# Altium PCB Main_PCB.PcbDoc (part 13 of 13)
Units mil, origin at the board's own origin, x right, y up, seen from the top; angles counter-clockwise.
Board outline 5200 x 6000 mil, 12 copper layers (Top (L1), Int1 (l2), Int2 (L3), Int3 (L4), Int4 (L5), Int5 (L6), Int6 (L7), Int7 (L8), Int8 (L9), Int9 (L10), Int10 (L11), Bot (L12)), stack 94.81 mil thick; 88 components, 424 nets, 1789 pads, 1684 vias.
Unrouted connection lines stored in the file: 914.
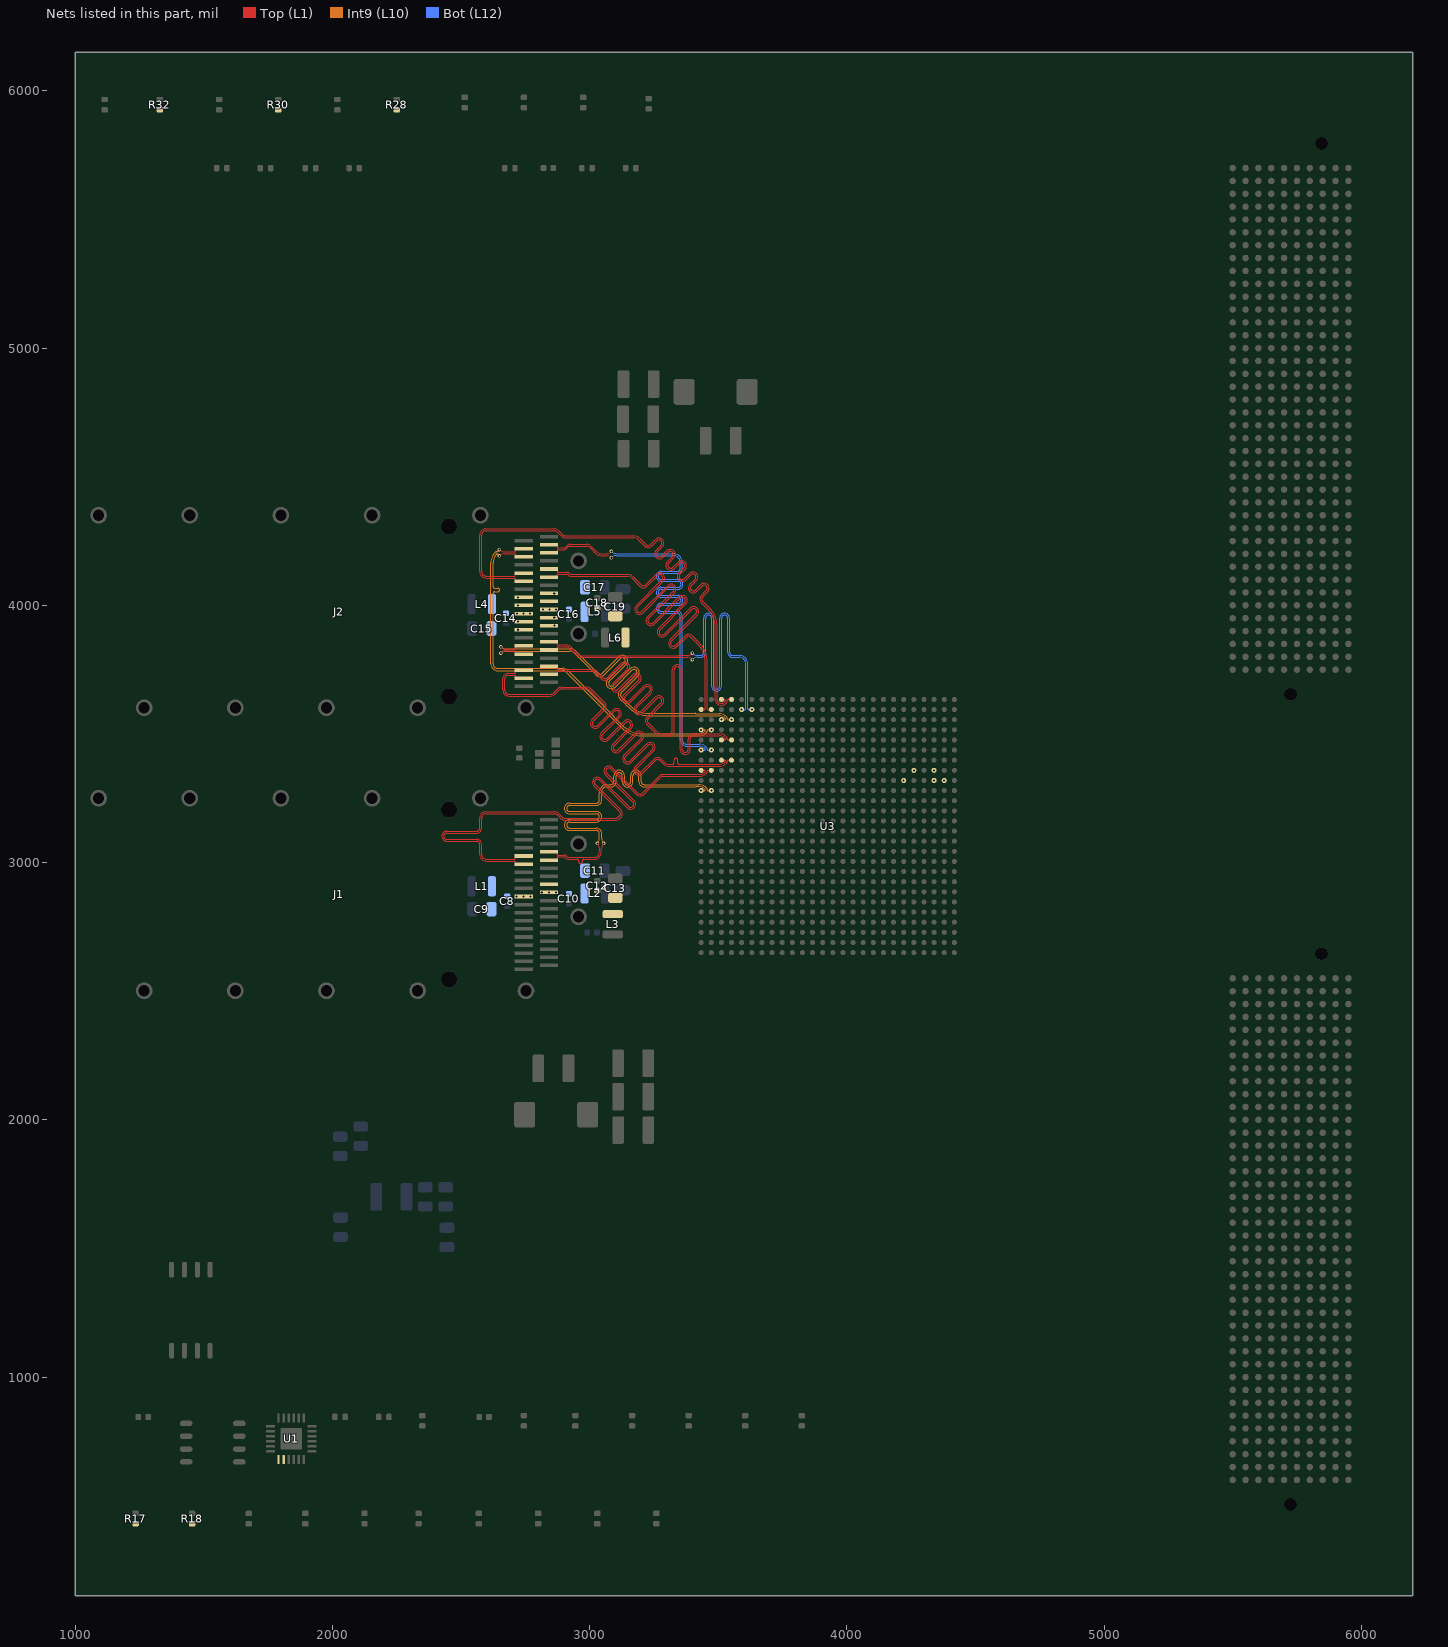
[diagram p23: the nets of this part, all layers, seen from the top]

## Via types
v1: diameter 13.78, hole 7.87, Top (L1) to Bot (L12), tented both sides, 1680 vias
v2: diameter 19.68, hole 7.87, Top (L1) to Bot (L12), tented both sides, 4 vias

## Nets (pads, with @x,y where several pads share a name; then routed paths per layer and width w, separated by ;. In a path a pad name is that pad's centre, name@x,y a point inside that pad or via, vN(x,y) a via of type N, cw(c..) or ccw(c..) an arc to the next point about the centre after c; other vN are vias at no path point) (continued)
QSFP_A_TX3_N: J1.34 U3.K2 | length 1575.8
  Top (L1) w3.5: J1.34@2842.13,3041.34 2865.15,3041.34 cw(c2865.15,3032.56) 2871.36,3038.77 2872.23,3037.89 cw(c2868.15,3033.81) 2873.93,3033.81 2873.93,3032.87 ccw(c2877.43,3032.87) 2874.95,3030.39 ccw(c2877.43,3032.87) 2877.43,3029.37 2900.62,3029.37 cw(c2900.62,3015.62) 2910.34,3025.34 2912.62,3023.06 ccw(c2920,3030.44) 2920,3020 3017.93,3020 ccw(c3017.93,3037.07) 3030,3025 ccw(c3008.94,3046.06) 3038.73,3046.06 ; v1(3030,3075) cw(c3008.94,3053.94) 3038.73,3053.94 ; 3038.72,3046.06 3038.72,3053.94
  Int9 (L10) w3.5: v1(3030,3075) ccw(c3010.44,3094.56) 3038.1,3094.56 3038.1,3107.38 3038.1,3113.53 ccw(c3026.35,3113.53) 3026.35,3125.28 2922.35,3125.28 cw(c2922.35,3145.83) 2922.35,3166.38 3026.75,3166.38 ccw(c3026.75,3178.13) 3026.75,3189.88 2922.35,3189.88 cw(c2922.35,3210.43) 2922.35,3230.98 3026.35,3230.98 ccw(c3026.35,3242.73) 3038.1,3242.73 3038.1,3267.85 3038.1,3270.44 cw(c3074.56,3270.44) 3048.78,3296.22 cw(c3066.35,3278.65) 3066.35,3303.5 3077,3303.5 3083.15,3303.5 ccw(c3083.15,3315.25) 3094.9,3315.25 3094.9,3338.38 cw(c3115.45,3338.38) 3136,3338.38 3136,3314.24 ccw(c3147.75,3314.24) 3159.5,3314.24 3159.5,3338.38 cw(c3180.05,3338.38) 3200.6,3338.38 3200.6,3315.25 ccw(c3212.35,3315.25) 3212.35,3303.5 3246,3303.5 3424.41,3303.5 cw(c3424.41,3261.6) 3454.04,3291.23 3454.11,3291.16 cw(c3446.42,3283.47) 3457.29,3283.47 3457.29,3283.42 ccw(c3460.79,3283.42) 3458.32,3280.95 ccw(c3460.79,3283.42) 3460.79,3279.92 v1(3473.23,3279.92)
QSFP_A_TX3_P: J1.33 U3.K1 | length 1583.5
  Top (L1) w3.5: J1.33@2842.13,3009.84 2865.15,3009.84 ccw(c2865.15,3018.62) 2871.36,3012.41 2872.23,3013.29 ccw(c2868.15,3017.37) 2873.93,3017.37 2873.93,3018.32 cw(c2877.43,3018.32) 2874.95,3020.79 cw(c2877.43,3018.32) 2877.43,3021.82 2900.62,3021.82 cw(c2900.62,3015.62) 2905,3020 2907.28,3017.72 ccw(c2920,3030.44) 2920,3012.45 2936,3012.45 2951.25,3012.45 cw(c2951.25,3005.7) 2958,3005.7 2958,3002.86 ccw(c2964.75,3002.86) 2971.5,3002.86 2971.5,3005.7 cw(c2978.25,3005.7) 2978.25,3012.45 2987.6,3012.45 3017.93,3012.45 ccw(c3017.93,3037.07) 3035.34,3019.66 ccw(c3008.94,3046.06) 3046.28,3046.06 3046.28,3053.94 ; 3046.27,3053.94 cw(c3076.06,3053.94) v1(3055,3075)
  Int9 (L10) w3.5: v1(3055,3075) cw(c3074.56,3094.56) 3046.9,3094.56 3046.9,3107.38 3046.9,3113.53 ccw(c3026.35,3113.53) 3026.35,3134.08 2922.35,3134.08 cw(c2922.35,3145.83) 2922.35,3157.58 3026.75,3157.58 ccw(c3026.75,3178.13) 3026.75,3198.68 2922.35,3198.68 cw(c2922.35,3210.43) 2922.35,3222.18 3026.35,3222.18 ccw(c3026.35,3242.73) 3046.9,3242.73 3046.9,3267.85 3046.9,3270.44 cw(c3074.56,3270.44) 3055,3290 cw(c3066.35,3278.65) 3066.35,3294.7 3077,3294.7 3083.15,3294.7 ccw(c3083.15,3315.25) 3103.7,3315.25 3103.7,3338.38 cw(c3115.45,3338.38) 3127.2,3338.38 3127.2,3314.24 ccw(c3147.75,3314.24) 3168.3,3314.24 3168.3,3338.38 cw(c3180.05,3338.38) 3191.8,3338.38 3191.8,3315.25 ccw(c3212.35,3315.25) 3212.35,3294.7 3246,3294.7 3412.86,3294.7 ccw(c3412.86,3299.14) 3416,3296 3424.38,3296 cw(c3424.38,3261.5) 3448.77,3285.9 cw(c3446.29,3283.42) 3449.79,3283.42 cw(c3446.29,3283.42) 3448.77,3280.95 cw(c3446.29,3283.42) 3446.29,3279.92 v1(3433.86,3279.92)
QSFP_A_TX4_N: J1.5 U3.H2 | length 2238.3
  Top (L1) w3.5: J1.5@2743.7,3025.59 2720.68,3025.59 ccw(c2720.68,3016.82) 2714.47,3023.02 2713.59,3022.14 ccw(c2717.67,3018.06) 2711.9,3018.06 2711.9,3017.12 cw(c2708.4,3017.12) 2710.88,3014.64 cw(c2708.4,3017.12) 2708.4,3013.62 2600,3013.62 cw(c2600,3034.42) 2585.29,3019.71 2585,3020 cw(c2597.07,3032.07) 2580,3032.07 2580,3065.96 2580,3071.48 ccw(c2560.7,3071.48) 2560.7,3090.78 2444.7,3090.78 cw(c2444.7,3102.53) 2444.7,3114.28 2560.7,3114.28 ccw(c2560.7,3133.58) 2580,3133.58 2580,3157 2580,3172.93 cw(c2597.07,3172.93) 2585,3185 cw(c2597.07,3172.93) 2597.07,3190 2862.93,3190 cw(c2862.93,3172.93) 2875,3185 2888.75,3171.25 ccw(c2904.66,3187.17) 2904.66,3164.66 3100,3164.66 ccw(c3100,3189.62) 3117.64,3171.96 3118.34,3172.66 3122.25,3176.57 ccw(c3108.6,3190.22) 3122.25,3203.86 3022.31,3303.8 cw(c3030.64,3312.08) 3022.33,3320.39 cw(c3030.64,3312.08) 3038.97,3320.38 ; 3038.98,3320.37 3146.26,3213.08 ; 3146.27,3213.07 ccw(c3159.93,3226.7) 3173.58,3213.06 ccw(c3159.93,3226.71) 3174.68,3239.15 3174.68,3239.25 3066.22,3347.71 cw(c3074.55,3355.99) 3066.25,3364.3 cw(c3074.55,3355.99) 3082.88,3364.29 3182.75,3264.42 ccw(c3196.42,3278.04) 3210.07,3264.39 3230.58,3284.91 3277.62,3331.94 cw(c3285,3324.56) 3285,3335 3415,3335 3428.6,3335.03 ccw(c3428.6,3367.79) 3451.77,3344.62 3453.76,3346.61 ccw(c3445.24,3355.14) 3457.29,3355.14 cw(c3460.79,3355.16) 3458.32,3357.64 cw(c3460.79,3355.16) 3460.79,3358.66 U3.H2@3473.23,3358.66
QSFP_A_TX4_P: J1.6 U3.H1 | length 2249.9
  Top (L1) w3.5: J1.6@2743.7,2994.09 2720.68,2994.09 cw(c2720.68,3002.87) 2714.47,2996.66 2713.59,2997.54 cw(c2717.67,3001.63) 2711.9,3001.63 2711.9,3002.57 ccw(c2708.4,3002.57) 2710.88,3005.04 ccw(c2708.4,3002.57) 2708.4,3006.07 2600,3006.07 cw(c2600,3034.42) 2579.95,3014.37 2579.66,3014.66 cw(c2597.07,3032.07) 2572.45,3032.07 2572.45,3065.96 2572.45,3071.48 ccw(c2560.7,3071.48) 2560.7,3083.23 2444.7,3083.23 cw(c2444.7,3102.53) 2444.7,3121.83 2560.7,3121.83 ccw(c2560.7,3133.58) 2572.45,3133.58 2572.45,3157 2572.45,3172.93 cw(c2597.07,3172.93) 2579.66,3190.34 cw(c2597.07,3172.93) 2597.07,3197.55 2862.93,3197.55 cw(c2862.93,3172.93) 2880.34,3190.34 2894.09,3176.59 ccw(c2904.66,3187.17) 2904.66,3172.21 3100,3172.21 ccw(c3100,3189.62) 3112.31,3177.31 3113,3178 3116.91,3181.91 ccw(c3108.6,3190.22) 3116.91,3198.52 3017.02,3298.41 cw(c3030.64,3312.08) 3017,3325.73 cw(c3030.64,3312.08) 3043.09,3326.84 3043.18,3326.84 3151.65,3218.37 ccw(c3159.93,3226.7) 3168.24,3218.4 ccw(c3159.93,3226.71) 3168.22,3235.03 3060.93,3342.32 ; 3060.92,3342.33 cw(c3074.55,3355.99) 3060.91,3369.64 cw(c3074.55,3355.99) 3087,3370.75 3087.09,3370.75 3188.11,3269.73 ccw(c3196.42,3278.04) 3204.73,3269.73 3225.25,3290.25 3272.28,3337.28 cw(c3285,3324.56) 3285,3342.55 3411.89,3342.55 ; 3411.92,3342.53 3425.8,3342.53 ccw(c3425.8,3374.54) 3448.44,3351.9 ccw(c3445.19,3355.16) 3449.79,3355.16 ccw(c3446.29,3355.16) 3448.77,3357.64 ccw(c3446.29,3355.16) 3446.29,3358.66 U3.H1@3433.86,3358.66
QSFP_A_VCCA1: C12.2 C13.2 J1.30 L3.2
QSFP_A_VCCRX: C8.2 C9.2 J1.10 L1.2
  other v1: 2716.11,2868.11 2743.59,2868 2770.89,2868.11
QSFP_A_VCCTX: C10.2 C11.2 J1.29 L2.2
  other v1: 2814.07,2883.86 2841.98,2884 2869.93,2883.86
QSFP_B_IntL/R\x\L\o\s\: J2.28 R32.1 U3.J21
  other v1: 4221.26,3319.29 2862.64,3952.36
QSFP_B_LPMode/TxDis: J2.31 U3.J25
  other v1: 4378.74,3319.29 2862.64,4046.85
QSFP_B_M\o\d\P\r\s\: J2.27 R30.1 U3.H24
  other v1: 4339.37,3358.66 2864.13,3920.87
QSFP_B_M\o\d\S\e\l\: J2.8 U3.J24
  other v1: 4339.37,3319.29 2721.61,4031.1
QSFP_B_R\e\s\e\t\: J2.9 R28.1 U3.H22
  other v1: 4260.63,3358.66 2721.61,3999.61
QSFP_B_RX1_N: J2.18 U3.G3 | length 2248.5
  Top (L1) w3.5: J2.18@2743.7,3716.14 2720.68,3716.14 cw(c2720.68,3724.92) 2714.47,3718.71 2713.59,3719.59 cw(c2717.67,3723.67) 2711.9,3723.67 2711.9,3724.61 ccw(c2708.4,3724.61) 2710.88,3727.09 ccw(c2708.4,3724.61) 2708.4,3728.11 2682.52,3728.11 ccw(c2682.52,3717.48) 2675,3725 2673.54,3723.54 ccw(c2682.07,3715) 2670,3715 2670,3672.07 ccw(c2687.07,3672.07) 2675,3660 2676.46,3658.54 ccw(c2685,3667.07) 2685,3655 2847.93,3655 ccw(c2847.93,3672.07) 2860,3660 2877.28,3677.28 cw(c2890,3664.56) 2890,3682.55 2987.93,3682.55 cw(c2987.93,3657.93) 3005.34,3675.34 3035.75,3644.93 3038.55,3642.13 3058.88,3621.8 cw(c3045.23,3608.15) 3058.88,3594.51 3013.82,3549.45 ccw(c3022.13,3541.14) 3013.82,3532.83 ccw(c3022.13,3541.14) 3030.41,3532.81 3090.49,3592.89 cw(c3104.14,3579.24) 3117.78,3592.89 cw(c3104.14,3579.24) 3117.78,3565.59 ; 3117.76,3565.57 3051.26,3499.07 ccw(c3059.57,3490.76) 3051.26,3482.45 ccw(c3059.57,3490.76) 3067.85,3482.43 3134.4,3548.97 cw(c3148.05,3535.33) 3161.69,3548.97 cw(c3148.05,3535.33) 3161.69,3521.68 ; 3161.67,3521.66 3095.17,3455.16 ccw(c3103.48,3446.85) 3095.17,3438.54 ccw(c3103.48,3446.85) 3111.76,3438.51 3178.31,3505.06 cw(c3191.96,3491.42) 3204.4,3506.17 3204.5,3506.17 3206.71,3503.96 3206.71,3503.86 cw(c3191.96,3491.42) 3205.6,3477.77 3139.08,3411.24 ccw(c3147.39,3402.94) 3139.08,3394.63 ccw(c3147.39,3402.94) 3155.67,3394.6 3222.22,3461.15 cw(c3235.87,3447.51) 3249.52,3461.15 cw(c3235.87,3447.51) 3249.52,3433.86 3182.99,3367.33 ccw(c3191.3,3359.02) 3182.99,3350.72 ccw(c3191.3,3359.02) 3199.58,3350.69 3251.14,3402.25 cw(c3264.78,3388.6) 3278.43,3402.25 3279.54,3401.14 3282.34,3398.34 3291.16,3389.52 ccw(c3309.41,3407.77) 3309.41,3381.96 3320,3381.96 3321.75,3381.96 ccw(c3321.75,3388.71) 3328.5,3388.71 3328.5,3399.42 cw(c3335.25,3399.42) 3342,3399.42 3342,3388.71 ccw(c3348.75,3388.71) 3348.75,3381.96 3361.85,3381.96 3419.98,3381.96 3504.64,3381.94 ccw(c3504.64,3413.81) 3527.18,3391.27 ccw(c3523.93,3394.53) 3528.53,3394.53 ccw(c3525.03,3394.53) 3527.51,3397.01 ccw(c3525.03,3394.53) 3525.03,3398.03 U3.G3@3512.6,3398.03
QSFP_B_RX1_P: J2.17 U3.G4 | length 2247.1
  Top (L1) w3.5: J2.17@2743.7,3747.64 2720.68,3747.64 ccw(c2720.68,3738.86) 2714.47,3745.07 2713.59,3744.19 ccw(c2717.67,3740.11) 2711.9,3740.11 2711.9,3739.16 cw(c2708.4,3739.16) 2710.88,3736.69 cw(c2708.4,3739.17) 2708.4,3735.66 2682.52,3735.66 ccw(c2682.52,3717.48) 2669.66,3730.34 2668.2,3728.87 ccw(c2682.07,3715) 2662.45,3715 2662.45,3672.07 ccw(c2687.07,3672.07) 2669.66,3654.66 2671.13,3653.2 ccw(c2685,3667.07) 2685,3647.45 2847.93,3647.45 ccw(c2847.93,3672.07) 2865.34,3654.66 2882.62,3671.94 cw(c2890,3664.56) 2890,3675 2987.93,3675 cw(c2987.93,3657.93) 3000,3670 3030.41,3639.59 3033.21,3636.79 3053.54,3616.46 cw(c3045.23,3608.15) 3053.54,3599.85 3008.48,3554.79 ccw(c3022.13,3541.14) 3008.48,3527.49 ccw(c3022.13,3541.14) 3035.77,3527.49 ; 3035.79,3527.51 3095.83,3587.55 cw(c3104.14,3579.24) 3112.44,3587.55 cw(c3104.14,3579.24) 3112.47,3570.95 3045.92,3504.4 ccw(c3059.57,3490.76) 3045.92,3477.11 ccw(c3059.57,3490.76) 3073.21,3477.11 ; 3073.23,3477.13 3139.74,3543.64 cw(c3148.05,3535.33) 3156.35,3543.64 cw(c3148.05,3535.33) 3156.38,3527.04 3089.83,3460.49 ccw(c3103.48,3446.85) 3089.83,3433.2 ccw(c3103.48,3446.85) 3117.12,3433.2 ; 3117.14,3433.22 3183.65,3499.72 cw(c3191.96,3491.42) 3200.29,3483.13 3133.74,3416.58 ccw(c3147.39,3402.94) 3133.74,3389.29 ccw(c3147.39,3402.94) 3161.03,3389.29 3227.56,3455.81 cw(c3235.87,3447.51) 3244.18,3455.81 cw(c3235.87,3447.51) 3244.2,3439.22 3177.65,3372.67 ccw(c3191.3,3359.02) 3177.65,3345.38 ccw(c3191.3,3359.02) 3204.95,3345.38 3256.48,3396.91 cw(c3264.78,3388.6) 3273.09,3396.91 3274.2,3395.8 3277,3393 3285.82,3384.18 ccw(c3309.41,3407.77) 3309.41,3374.41 3415,3374.41 ; 3415.03,3374.44 3504.73,3374.44 ccw(c3504.73,3413.61) 3532.43,3385.91 3532.51,3386 ccw(c3524.02,3394.49) 3536.03,3394.49 ; 3536.03,3394.53 cw(c3539.53,3394.53) 3537.06,3397.01 cw(c3539.53,3394.53) 3539.53,3398.03 U3.G4@3551.97,3398.03
QSFP_B_RX2_N: J2.21 U3.E3 | length 2236.4
  Top (L1) w3.5: J2.21@2842.13,3731.89 2865.15,3731.89 ccw(c2865.15,3740.66) 2871.36,3734.46 2872.23,3735.34 ccw(c2868.15,3739.42) 2873.93,3739.42 2873.93,3740.36 cw(c2877.43,3740.36) 2874.95,3742.84 cw(c2877.43,3740.36) 2877.43,3743.86 3010.67,3743.86 cw(c3010.67,3730.67) 3020,3740 3029.87,3730.13 3032.08,3727.92 3032.67,3727.33 3046.47,3713.53 ccw(c3060.14,3727.15) 3073.79,3713.51 3129.07,3768.79 cw(c3137.38,3760.49) 3145.69,3768.79 cw(c3137.38,3760.49) 3145.71,3752.2 3089.16,3695.65 ccw(c3102.81,3682) 3089.16,3668.36 ccw(c3102.81,3682) 3116.46,3668.36 ; 3116.48,3668.38 3172.98,3724.88 cw(c3181.29,3716.57) 3189.6,3724.88 cw(c3181.29,3716.57) 3189.63,3708.29 3133.08,3651.74 ccw(c3146.72,3638.09) 3133.08,3624.45 ccw(c3146.72,3638.09) 3160.37,3624.45 ; 3160.39,3624.47 3216.9,3680.97 cw(c3225.2,3672.66) 3233.54,3664.38 3176.99,3607.83 ccw(c3190.63,3594.18) 3176.99,3580.53 ccw(c3190.63,3594.18) 3204.28,3580.53 3260.81,3637.06 cw(c3269.12,3628.75) 3277.42,3637.06 cw(c3269.12,3628.75) 3277.45,3620.47 3222.14,3565.16 ccw(c3235.78,3551.51) 3222.16,3537.84 3245.2,3514.8 3248,3512 3252.5,3507.5 ccw(c3288.03,3543.03) 3288.03,3492.78 3304,3492.78 3309.53,3492.78 ccw(c3309.53,3512.08) 3328.83,3512.08 3328.83,3749.73 cw(c3340.58,3749.73) 3352.33,3749.73 3352.33,3440.1 ccw(c3371.63,3440.1) 3390.93,3440.1 3390.93,3481.03 cw(c3402.68,3481.03) 3402.68,3492.78 3417.75,3492.78 ; 3417.77,3492.76 3429.96,3492.76 ; 3429.99,3492.78 3433.92,3492.78 3504.85,3492.78 cw(c3504.85,3461.19) 3527.18,3483.53 cw(c3523.93,3480.27) 3528.53,3480.27 cw(c3525.03,3480.27) 3527.51,3477.8 cw(c3525.03,3480.27) 3525.03,3476.77 U3.E3@3512.6,3476.77
QSFP_B_RX2_P: J2.22 U3.E4 | length 2248.2
  Top (L1) w3.5: J2.22@2842.13,3763.39 2865.15,3763.39 cw(c2865.15,3754.61) 2871.36,3760.82 2872.23,3759.94 cw(c2868.15,3755.85) 2873.93,3755.85 2873.93,3754.91 ccw(c2877.43,3754.91) 2874.95,3752.44 ccw(c2877.43,3754.91) 2877.43,3751.41 3010.67,3751.41 cw(c3010.67,3730.67) 3025.34,3745.34 3035.21,3735.47 3051.83,3718.85 ccw(c3060.14,3727.15) 3068.45,3718.85 3123.74,3774.13 cw(c3137.38,3760.49) 3151.03,3774.13 cw(c3137.38,3760.49) 3151.03,3746.84 ; 3151.01,3746.82 3094.5,3690.31 ccw(c3102.81,3682) 3094.5,3673.7 ccw(c3102.81,3682) 3111.1,3673.67 3167.65,3730.22 cw(c3181.29,3716.57) 3194.94,3730.22 cw(c3181.29,3716.57) 3194.94,3702.93 ; 3194.92,3702.91 3138.41,3646.4 ccw(c3146.72,3638.09) 3138.41,3629.78 ccw(c3146.72,3638.09) 3155.01,3629.76 3211.56,3686.31 cw(c3225.2,3672.66) 3237.65,3687.42 3237.75,3687.42 3239.96,3685.2 3239.96,3685.11 cw(c3225.2,3672.66) 3238.85,3659.02 3182.33,3602.49 ccw(c3190.63,3594.18) 3182.33,3585.87 ccw(c3190.63,3594.18) 3198.92,3585.85 3255.47,3642.4 cw(c3269.12,3628.75) 3282.76,3642.4 cw(c3269.12,3628.75) 3282.76,3615.1 3227.48,3559.82 ccw(c3235.78,3551.51) 3227.48,3543.2 3250.54,3520.14 3253.34,3517.34 3257.84,3512.84 ccw(c3288.03,3543.03) 3288.03,3500.33 3304,3500.33 3309.53,3500.33 ccw(c3309.53,3512.08) 3321.28,3512.08 3321.28,3749.73 cw(c3340.58,3749.73) 3359.88,3749.73 3359.88,3440.1 ccw(c3371.63,3440.1) 3383.38,3440.1 3383.38,3481.03 cw(c3402.68,3481.03) 3402.68,3500.33 3420.87,3500.33 ; 3420.9,3500.31 3429.96,3500.31 ; 3429.99,3500.28 3433.92,3500.28 3504.88,3500.28 cw(c3504.88,3461.27) 3532.47,3488.85 3532.52,3488.8 cw(c3524.03,3480.32) 3536.03,3480.32 ; 3536.03,3480.27 ccw(c3539.53,3480.27) 3537.06,3477.8 ccw(c3539.53,3480.27) 3539.53,3476.77 U3.E4@3551.97,3476.77
QSFP_B_RX3_N: J2.15 U3.C3 | length 1532.7
  Top (L1) w3.5: v1(2655,3814) cw(c2676.06,3792.94) 2676.06,3822.73 2698.25,3822.72 2698.37,3822.6 2708.4,3822.6 cw(c2708.4,3819.1) 2710.88,3821.58 cw(c2708.4,3819.1) 2711.9,3819.1 2711.9,3818.16 ccw(c2717.67,3818.16) 2713.58,3814.09 2714.47,3813.2 ccw(c2720.68,3819.4) 2720.68,3810.63 J2.15@2743.7,3810.63
  Int9 (L10) w3.5: v1(2655,3814) cw(c2674.56,3794.44) 2674.56,3822.1 2922.86,3822.1 cw(c2922.86,3797.86) 2940,3815 3021.65,3733.35 3024.71,3730.29 3025.97,3729.03 ccw(c3040.53,3743.53) 3055.06,3729 3119.02,3792.96 ; 3119.04,3792.98 cw(c3127.36,3784.68) 3135.66,3792.99 cw(c3127.36,3784.68) 3135.66,3776.37 3069.37,3710.08 3069.37,3709.95 ccw(c3085.19,3696.83) 3099.72,3682.3 3164.7,3747.28 cw(c3173.03,3739) 3181.34,3747.31 cw(c3173.03,3739) 3181.34,3730.69 3117.36,3666.71 ccw(c3131.89,3652.17) 3117.38,3637.62 3137.94,3617.06 3141,3614 3151.78,3603.22 ccw(c3228.72,3680.15) 3228.72,3571.35 3503.7,3571.35 cw(c3503.7,3537.68) 3527.51,3561.49 cw(c3525.03,3559.01) 3528.53,3559.01 cw(c3525.03,3559.01) 3527.51,3556.54 cw(c3525.03,3559.01) 3525.03,3555.51 v1(3512.6,3555.51)
QSFP_B_RX3_P: J2.14 U3.C4 | length 1544.9
  Top (L1) w3.5: v1(2655,3839) ccw(c2676.06,3860.06) 2676.06,3830.27 2701.38,3830.28 2701.5,3830.15 2708.4,3830.15 ccw(c2708.4,3833.65) 2710.88,3831.18 ccw(c2708.4,3833.65) 2711.9,3833.65 2711.9,3834.59 cw(c2717.67,3834.59) J2.14@2713.58,3838.67 ; J2.14@2713.59,3838.68 2714.47,3839.56 cw(c2720.68,3833.35) 2720.68,3842.13 J2.14@2743.7,3842.13
  Int9 (L10) w3.5: v1(2655,3839) ccw(c2674.56,3858.56) 2674.56,3830.9 2922.86,3830.9 cw(c2922.86,3797.86) 2946.22,3821.22 3027.87,3739.57 3030.93,3736.51 3032.22,3735.22 ccw(c3040.53,3743.53) 3048.84,3735.22 3114.11,3800.5 3114.24,3800.5 cw(c3127.36,3784.68) 3141.89,3799.21 cw(c3127.36,3784.68) 3141.89,3770.15 3076.91,3705.17 ccw(c3085.19,3696.83) 3076.88,3688.53 ccw(c3085.19,3696.83) 3093.5,3688.53 3159.79,3754.82 3159.92,3754.82 cw(c3173.03,3739) 3187.56,3753.53 cw(c3173.03,3739) 3187.56,3724.47 3123.58,3660.48 ccw(c3131.89,3652.17) 3123.58,3643.87 3144.16,3623.28 3147.22,3620.22 3158.01,3609.44 ccw(c3228.72,3680.15) 3228.72,3580.15 3410.1,3580.15 cw(c3410.1,3575.71) 3413.24,3578.85 3503.8,3578.85 cw(c3503.8,3537.93) 3532.74,3566.87 3532.85,3566.75 cw(c3525.16,3559.06) 3536.03,3559.06 3536.03,3559.01 ccw(c3539.53,3559.01) 3537.06,3556.54 ccw(c3539.53,3559.01) 3539.53,3555.51 v1(3551.97,3555.51)
QSFP_B_RX4_N: J2.24 U3.B5 | length 1867.3
  Top (L1) w3.5: J2.24@2842.13,3826.38 2865.15,3826.38 ccw(c2865.15,3835.15) 2871.36,3828.95 2872.23,3829.83 ccw(c2868.15,3833.91) 2873.93,3833.91 2873.93,3834.85 cw(c2877.43,3834.85) 2874.95,3837.33 cw(c2877.43,3834.85) 2877.43,3838.35 2911.91,3838.35 cw(c2911.91,3826.91) 2920,3835 2952.28,3802.72 ccw(c2965,3815.44) 2965,3797.45 3349.21,3797.45 3349.49,3797.72 3378.94,3797.72 cw(c3378.94,3767.94) v1(3400,3789)
  Bot (L12) w3.5: v1(3400,3789) cw(c3421.06,3767.94) 3421.06,3797.73 3426,3797.72 3431.53,3797.72 ccw(c3431.53,3817.03) 3450.83,3817.03 3450.83,3950.62 cw(c3462.58,3950.62) 3474.33,3950.62 3474.33,3685.4 ccw(c3493.63,3685.4) 3512.93,3685.4 3512.93,3950.62 cw(c3524.68,3950.62) 3536.43,3950.62 3536.43,3817.03 ccw(c3555.73,3817.03) 3555.73,3797.72 3581,3797.72 3581.35,3797.72 cw(c3581.35,3771.35) 3600,3790 cw(c3582.44,3772.44) 3607.27,3772.44 3607.27,3598.38 cw(c3603.77,3598.38) 3606.25,3595.91 cw(c3603.77,3598.38) 3603.77,3594.88 v1(3591.34,3594.88)
QSFP_B_RX4_P: J2.25 U3.B6 | length 1879.1
  Top (L1) w3.5: J2.25@2842.13,3857.87 2865.15,3857.87 cw(c2865.15,3849.1) 2871.36,3855.3 J2.25@2872.23,3854.43 ; J2.25@2872.24,3854.42 cw(c2868.15,3850.34) 2873.93,3850.34 2873.93,3849.4 ccw(c2877.43,3849.4) 2874.95,3846.93 ccw(c2877.43,3849.4) 2877.43,3845.9 2911.91,3845.9 cw(c2911.91,3826.91) 2925.34,3840.34 2957.62,3808.06 ccw(c2965,3815.44) 2965,3805 3346.09,3805 3346.36,3805.28 3378.94,3805.28 ccw(c3378.94,3835.06) v1(3400,3814)
  Bot (L12) w3.5: v1(3400,3814) ccw(c3421.06,3835.06) 3421.06,3805.27 3426,3805.28 3431.53,3805.28 ccw(c3431.53,3817.03) 3443.28,3817.03 3443.28,3950.62 cw(c3462.58,3950.62) 3481.88,3950.62 3481.88,3685.4 ccw(c3493.63,3685.4) 3505.38,3685.4 3505.38,3950.62 cw(c3524.68,3950.62) 3543.98,3950.62 3543.98,3817.03 ccw(c3555.73,3817.03) 3555.73,3805.28 3581,3805.28 3581.35,3805.28 cw(c3581.35,3771.35) 3605.34,3795.34 cw(c3582.44,3772.44) 3614.82,3772.44 3614.82,3645.05 3614.77,3645 3614.77,3598.38 ccw(c3618.27,3598.38) 3615.8,3595.91 ccw(c3618.27,3598.38) 3618.27,3594.88 v1(3630.71,3594.88)
QSFP_B_SCL: J2.11 R18.1 U1.8
  other v1: 2721.61,3936.61
QSFP_B_SDA: J2.12 R17.1 U1.7
  other v1: 2721.61,3905.12
QSFP_B_TX1_N: J2.37 U3.F2 | length 1882.4
  Top (L1) w3.5: J2.37@2842.13,4235.83 2865.15,4235.83 cw(c2865.15,4227.05) 2871.36,4233.26 J2.37@2872.23,4232.38 ; J2.37@2872.24,4232.37 cw(c2868.15,4228.3) 2873.93,4228.3 2873.93,4227.35 ccw(c2877.43,4227.35) 2874.95,4224.88 ccw(c2877.43,4227.35) 2877.43,4223.85 2900,4223.85 ccw(c2900,4233.16) 2906.58,4226.58 2912.28,4232.28 cw(c2925,4219.56) 2925,4237.55 2987.93,4237.55 cw(c2987.93,4212.93) 3005.34,4230.34 3027.56,4208.12 ccw(c3043.99,4224.43) 3043.99,4201.27 ; 3044.04,4201.27 3063.94,4201.27 ccw(c3063.94,4231.06) v1(3085,4210)